# KiCad board aek.kicad_pcb (continued)
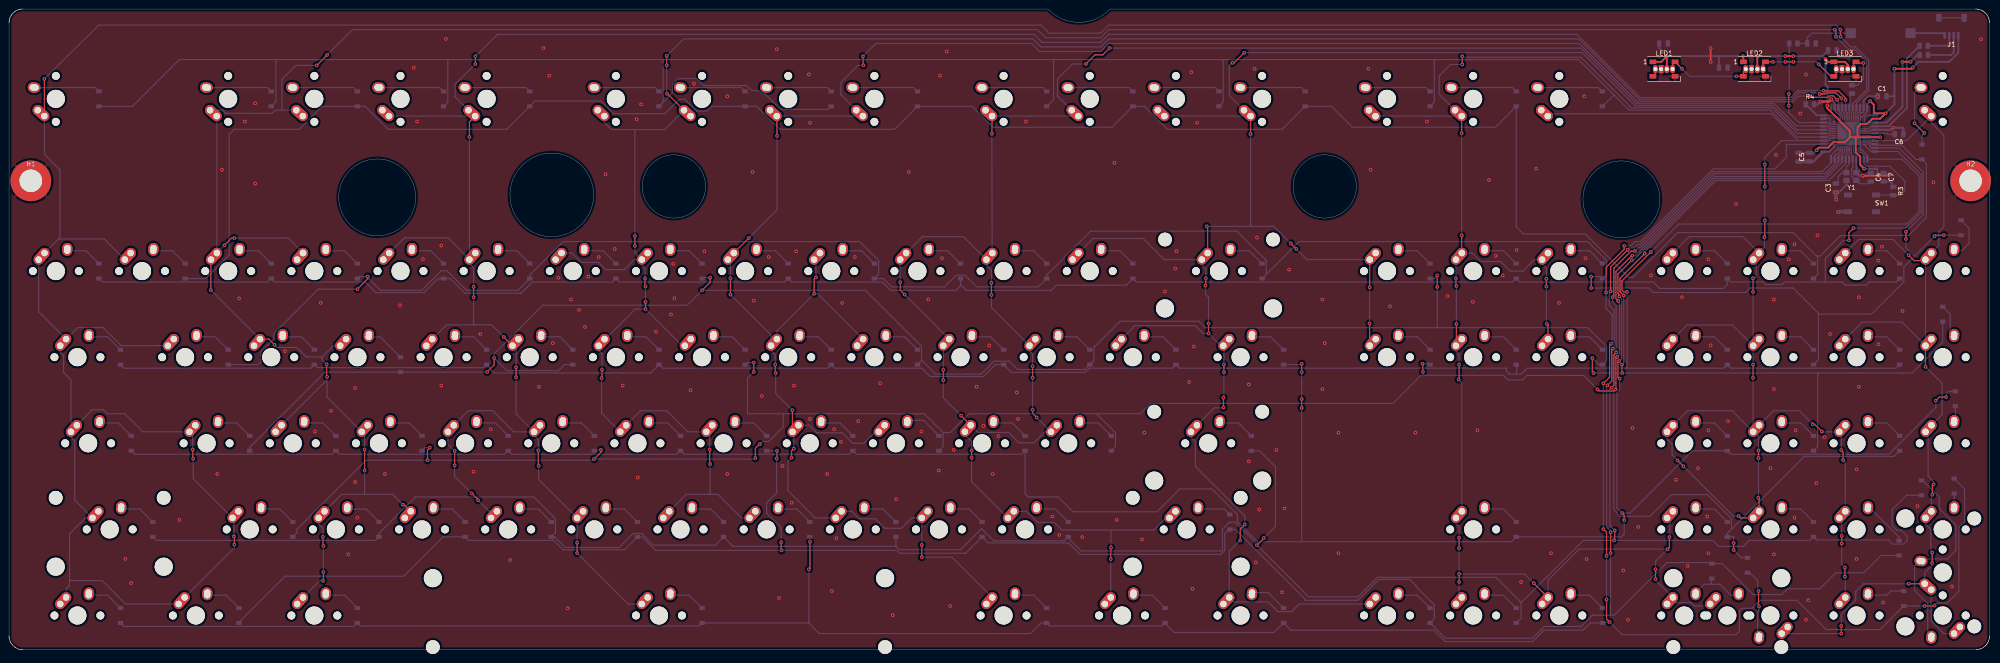
[diagram p0: board, top side]
## Nets (continued)
Net-(D72-Pad2): D72.2 SW_RCTR1.2
Net-(D73-Pad2): D73.2 SW_LEFT1.2
Net-(D74-Pad2): D74.2 SW_DEL1.2
Net-(D75-Pad2): D75.2 SW_INS1.2
Net-(D76-Pad2): D76.2 SW_BACKSP1.2
Net-(D77-Pad2): D77.2 SW_F12.2
Net-(D78-Pad2): D78.2 SW_PRSC1.2
Net-(D79-Pad2): D79.2 SW_HOME1.2
Net-(D80-Pad2): D80.2 SW_END1.2
Net-(D81-Pad2): D81.2 SW_UP1.2
Net-(D82-Pad2): D82.2 SW_DOWN1.2
Net-(D83-Pad2): D83.2 SW_RIGHT1.2
Net-(D84-Pad2): D84.2 SW_KP0.2 SW_KP0ALT1.2
Net-(D85-Pad2): D85.2 SW_KP1.2
Net-(D86-Pad2): D86.2 SW_PGDN1.2
Net-(D87-Pad2): D87.2 SW_PGUP1.2
Net-(D88-Pad2): D88.2 SW_SCLK1.2
Net-(D89-Pad2): D89.2 SW_PAUSE1.2
Net-(D90-Pad2): D90.2 SW_NUMLK1.2
Net-(D91-Pad2): D91.2 SW_KP7.2
Net-(D92-Pad2): D92.2 SW_KP4.2
Net-(D93-Pad2): D93.2 SW_KP2.2
Net-(D94-Pad2): D94.2 SW_KPPER1.2
Net-(D95-Pad2): D95.2 SW_KP3.2
Net-(D96-Pad2): D96.2 SW_KP6.2
Net-(D97-Pad2): D97.2 SW_KP5.2
Net-(D98-Pad2): D98.2 SW_KP8.2
Net-(D99-Pad2): D99.2 SW_KPEQ1.2
Net-(D100-Pad2): D100.2 SW_POW1.2
Net-(D101-Pad2): D101.2 SW_KPSLASH1.2
Net-(D102-Pad2): D102.2 SW_KP9.2
Net-(D103-Pad2): D103.2 SW_KPPLUS1.2
Net-(D104-Pad2): D104.2 SW_KPENTER1.2 SW_KPENTERALT1.2
Net-(D105-Pad2): D105.2 SW_KPENTERX1.2
Net-(D109-Pad2): D109.2 SW_KPMINUS1.2
Net-(D110-Pad2): D110.2 SW_KPASTR1.2
Net-(LED1-Pad4): LED1.4 LED2.2
Net-(LED2-Pad4): LED2.4 LED3.2
Net-(R1-Pad2): R1.2 U1.39
Net-(R2-Pad1): R2.1 U1.4
Net-(R3-Pad1): R3.1 SW1.2 U1.13
Net-(R4-Pad2): R4.2 U1.33
Net-(R5-Pad1): R5.1 U1.3

Pads without a net: J1 MP; LED1 2; SW1 3 4; U1 1 32 42

## Via types
v1: diameter 0.8, hole 0.4, Top to Bottom, 476 vias

## Routing (per net, layer and track width the routed paths; a pad name or vN(x,y) marks a point on that pad's centre or on a via; arc(x,y) is an arc through that point)
+5V: length 191.1
  Top w0.25: v1(411.48,121.36) 411.53,121.36
  Top w0.4: 411.53,121.36 412.31,120.58 412.31,118.68 v1(414.91,118.68) 413.71,117.48 412.01,117.48 410.81,116.28 409.41,116.28 408.71,115.58 408.71,113.38 ; v1(386.65,131.33) 386.55,131.23 LED2.1 ; v1(366.59,131.33) 365.32,130.06 LED1.1 ; 407.01,113.38 405.91,112.28 403.41,112.28 402.21,111.08 400.11,111.08 399.67,110.63 v1(399.67,110.53) ; 407.01,113.38 v1(413.71,113.38) ; 407.01,113.38 407.01,114.78 402.01,119.78 v1(402.01,120.38) ; 408.31,113.38 408.31,110.08 409.31,109.08 409.31,107.26 v1(410.16,106.41) ; LED1.1 366.55,131.3 ; v1(416.88,128.54) 420.69,128.54 v1(420.94,128.79) ; LED3.1 406.55,129.43 405.92,130.06 LED3.1 402.21,130.06 v1(401.64,130.64) ; v1(392.75,131.33) v1(394.53,131.33) ; v1(383.35,131.33) 383.47,131.22 LED2.1
  Bottom w0.25: U1.44 410.87,119.06 U1.44 ; U1.2 410.8,116.23 411.05,116.48 411.05,116.49 410.98,116.42 ; U1.34 402.87,119.06 U1.34 ; U1.24 402.73,112.23 402.69,112.18 402.69,111.97 ; U1.14 409.27,109.27 408.37,110.17 U1.14 ; U1.24 402.17,111.03 402.24,111.11 402.24,111.45 402.67,111.87 ; 411.07,116.6 411.07,116.83 411.66,117.43 U1.2 ; 411.81,113.48 411.57,113.73 U1.7
  Bottom w0.4: 378.02,131.33 v1(383.35,131.33) v1(392.75,131.33) ; 378.02,131.33 378.08,131.27 C8.2 ; 378.02,131.33 v1(366.59,131.33) 364.87,133.05 C9.2 ; C2.1 399.07,109.93 v1(399.67,110.53) 400.17,111.03 U1.24 ; v1(416.88,128.54) 416.88,120.67 v1(414.91,118.68) 413.64,117.43 U1.2 ; U1.7 413.76,113.43 ; U1.14 409.27,107.53 410.4,106.4 412.35,106.4 ; 412.35,106.4 412.4,106.44 413.07,106.44 413.07,104.92 414.39,103.6 ; 412.35,106.4 412.77,106.4 ; C7.1 415.91,103.6 416.32,103.19 416.32,102.63 ; 400.94,131.33 v1(401.64,130.64) 401.64,124.96 402.11,124.48 402.11,120.68 ; 400.94,131.33 v1(394.53,131.33) ; 400.94,131.33 C10.2 ; v1(411.48,121.36) 410.87,120.74 U1.44 ; v1(420.94,128.79) 422.21,130.06 428.98,130.06 430.99,132.08 J1.4 ; v1(402.01,120.38) 402.01,120.58 402.11,120.68 ; C1.1 416.88,122.44 ; 402.11,120.68 U1.34
GND: length 85.2
  Top w0.4: v1(409.91,104.88) 415.71,104.88 v1(416.01,105.18) ; v1(376.24,130.06) v1(376.24,133.11)
  Top w0.5: v1(400.51,121.28) 402.38,121.28 v1(402.91,121.82)
  Bottom w0.25: 407.37,114.73 U1.5 411.46,114.73 411.76,115.03 U1.5 ; U1.45 404.39,111.75 404.16,111.75 ; U1.15 408.47,109.43 407.87,110.03 407.87,110.03 U1.15 407.87,113.23 ; 404.87,116.23 U1.35 404.87,118.23 404.67,118.43 404.47,118.43 403.67,119.23 U1.35 ; U1.23 404.16,111.73 ; U1.43 410.07,118.93 409.99,118.85 409.52,118.85 409.52,118.75 409.2,118.43 409.14,118.43 408.87,118.15 U1.43 408.87,116.23 ; 403.92,99.67 v1(404.01,99.58) ; 404.53,96.9 v1(404.41,96.78)
  Bottom w0.4: Y1.4 406.25,102.82 404.67,101.24 v1(403.92,101.24) ; Y1.2 409.12,104.89 v1(409.91,104.88) 410.02,104.89 411.02,104.89 C4.2 ; U1.35 403.67,121.06 v1(402.91,121.82) ; v1(413.2,122.44) 411.04,122.44 410.07,121.47 U1.43 ; v1(416.01,105.18) 414.81,105.18 ; U1.15 408.47,105.56 ; J1.1 427.5,136.41 BUZ1.2
  Bottom w0.5: v1(400.51,121.28) 399.9,120.67 R4.1 ; 403.53,111.65 403.53,111.34 402.42,110.23 U1.23 398.97,108.03 C5.2 ; U1.5 416.06,115.03 v1(416.51,115.48) 418.61,115.48 418.84,115.25 C6.2
  Bottom w0.8: C2.2 C5.2 ; v1(403.92,101.24) 403.92,99.67 ; SW1.1 404.53,96.9
  vias: v1(25.72,20.08) v1(26.99,14.75) v1(37.66,28.72) v1(46.04,38.88) v1(47.05,106.19) v1(50.86,77.74) v1(52.13,116.86) v1(54.42,120.92) v1(54.42,103.14) v1(61.02,66.06) v1(67.63,48.28) v1(68.9,76.72) v1(71.18,52.85) v1(74.99,21.1) v1(76.52,57.93) v1(76.52,37.1) v1(77.03,29.23) v1(83.12,38.88) v1(86.42,76.22) v1(89.47,128.79) v1(90.23,116.86) v1(91.5,86.38) v1(95.57,89.42) v1(95.57,58.44) v1(96.58,135.14) v1(102.68,39.39) v1(104.2,69.87) v1(106.49,48.78) v1(110.81,19.83) v1(117.16,58.18) v1(118.17,133.11) v1(119.44,127.02) v1(120.21,67.83) v1(121.48,82.31) v1(123.51,9.16) v1(124.27,77.49) v1(126.05,75.2) v1(127.32,71.39) v1(128.08,82.57) v1(130.37,86.88) v1(131.89,105.17) v1(133.92,88.66) v1(135.7,58.44) v1(138.75,117.36) v1(139,38.12) v1(139.76,120.67) v1(143.07,70.37) v1(146.37,74.18) v1(146.88,85.36) v1(147.13,77.74) v1(150.69,57.42) v1(151.45,125.24) v1(153.73,88.15) v1(158.81,122.44) v1(158.81,38.88) v1(164.4,105.68) v1(164.66,77.23) v1(166.43,56.15) v1(167.96,86.88) v1(169.74,132.86) v1(170.24,11.45) v1(171.01,40.66) v1(173.04,32.53) v1(173.55,58.44) v1(174.05,88.15) v1(176.85,127.27) v1(177.1,116.6) v1(177.1,51.07) v1(180.91,38.88) v1(181.93,12.97) v1(182.44,48.78) v1(182.94,24.65) v1(183.96,45.99) v1(184.21,76.72) v1(187.01,86.88) v1(187.77,50.56) v1(192.6,58.94) v1(195.39,7.64) v1(196.15,33.29) v1(198.95,105.68) v1(201.74,48.28) v1(203.26,77.49) v1(205.55,39.64) v1(205.8,127.02) v1(206.31,86.63) v1(207.33,132.35) v1(208.09,9.67) v1(208.85,44.21) v1(213.93,58.18) v1(215.46,49.55) v1(216.73,67.33) v1(217.49,38.88) v1(218.76,47.26) v1(222.82,56.91) v1(223.08,51.07) v1(224.85,116.86) v1(230.7,29.48) v1(232.22,25.42) v1(237.3,24.91) v1(244.41,107.71) v1(244.92,28.72) v1(250.51,24.4) v1(251.02,48.02) v1(255.59,79.26) v1(257.87,84.34) v1(258.13,88.15) v1(260.92,59.2) v1(261.43,127.78) v1(261.68,13.48) v1(261.94,67.07) v1(262.7,116.6) v1(274.13,58.69) v1(274.13,41.67) v1(275.4,128.54) v1(275.65,19.32) v1(275.91,91.2) v1(276.42,31) v1(280.23,44.21) v1(281.5,12.72) v1(282,31.26) v1(283.02,84.09) v1(290.39,77.49) v1(290.39,57.67) v1(290.89,67.83) v1(293.94,48.02) v1(293.94,21.35) v1(300.55,128.54) v1(301.05,106.19) v1(305.37,75.96) v1(310.96,48.02) v1(313.5,116.86) v1(318.07,78.25) v1(323.66,76.98) v1(324.68,48.53) v1(327.22,103.9) v1(328.74,87.14) v1(330.26,82.82) v1(333.31,88.41) v1(334.33,15) v1(337.63,106.44) v1(340.93,21.35) v1(342.71,76.72) v1(348.3,122.44) v1(348.55,86.63) v1(348.81,20.08) v1(356.93,17.54) v1(357.95,6.62) v1(358.97,49.04) v1(360.24,27.19) v1(363.03,82.82) v1(368.62,37.61) v1(369.89,77.99) v1(371.16,18.56) v1(373.44,40.15) v1(375.48,29.48) v1(375.73,86.38) v1(375.73,48.53) v1(375.73,21.35) v1(376.24,67.33) v1(380.05,50.56) v1(381.83,98.57) v1(389.45,40.15) v1(390.21,77.49) v1(390.21,57.67) v1(390.21,21.1) v1(390.72,109.49) v1(393.51,86.38) v1(394.78,89.68) v1(394.78,29.23) v1(395.03,48.53) v1(396.05,118.63) v1(397.32,127.27) v1(397.32,6.62) v1(397.83,10.94) v1(399.61,36.85) v1(399.86,91.71) v1(401.38,47.01) v1(402.65,69.87) v1(408.5,39.89) v1(408.5,20.08) v1(409,77.99) v1(409,58.18) v1(413.32,86.12) v1(413.32,67.58) v1(414.08,89.17) v1(414.34,10.43) v1(418.66,74.95) v1(421.96,31.77) v1(425.51,103.39) v1(429.58,13.99) v1(436.01,135.08)
BUZIN: length 26.8
  Top w0.25: v1(393.51,122.98) v1(393.51,120.38)
  Bottom w0.25: v1(393.51,122.98) 393.61,123.08 R6.1 ; U1.31 402.81,115.73 402.17,116.36 402.17,116.63 U1.31 395.77,116.63 393.51,118.89 v1(393.51,120.38)
COL0: length 693.1
  Top w0.25: v1(7.81,126.28) 7.81,126.19 SW_ESC1.1 ; v1(40.61,44.28) 40.61,42.38 v1(40.71,42.28) ; v1(49.71,25.08) 49.81,24.98 v1(49.81,23.28) ; v1(404.94,137.18) v1(404.94,135.65)
  Bottom w0.25: SW_ESC1.1 7.81,109.62 11.24,106.19 11.24,91.16 10.96,90.88 ; v1(7.81,126.28) 19.81,138.19 228.16,138.19 229.93,136.41 241.36,136.41 243.14,138.19 403.92,138.19 v1(404.94,137.18) ; SW_TICK1.1 10.96,90.88 ; 10.96,90.88 21.02,90.88 SW_1.1 ; v1(404.94,135.65) 407.23,133.37 408.24,133.37 411.19,130.41 411.19,123.71 408.47,120.98 U1.41 408.47,119.23 408.09,118.85 407.92,118.85 407.87,118.8 U1.41 ; 13.36,15.53 13.61,15.28 20.61,15.28 25.78,10.11 SW_LMOD1.1 ; SW_CAP1.1 18.11,52.79 18.11,53.08 20.91,53.08 21.79,52.2 25.59,52.2 29.58,48.21 SW_A1.1 40.61,47.48 v1(40.61,44.28) ; v1(40.71,42.28) 40.71,37.85 SW_Z1.1 ; v1(49.71,25.08) 49.71,28.85 ; SW_LCTR1.1 12.61,13.48 13.36,14.23 13.36,25.63 16.9,29.16 SW_LSH1.1 14.51,33.1 14.51,46.18 13.68,47.01 SW_CAP1.1 13.68,59.71 12.06,61.33 12.06,65.13 11.3,65.89 SW_TAB1.1 ; SW_LMOD1.1 49.81,22.58 v1(49.81,23.28) ; SW_Q1.1 24.83,67.26 20.81,71.28 15.17,71.28 SW_TAB1.1 6.54,74.79 SW_TICK1.1
COL1: length 585
  Top w0.25: v1(69.51,22.98) 69.41,23.08 v1(69.41,24.98) ; v1(49.81,91.08) 49.21,91.08 v1(47.61,89.48) ; v1(78.61,44.28) v1(78.61,39.68) ; v1(70.21,63.13) 70.21,60.48 v1(70.31,60.38) ; v1(68.02,129.27) v1(70.31,131.58) ; v1(403.67,137.18) 403.92,136.92 v1(403.92,135.65) ; v1(58.71,67.48) 57.47,68.72 SW_W1.1 ; v1(87.11,32.09) 87.35,32.09 SW_C1.1 ; v1(69.51,17.18) 69.51,15.38 v1(69.41,15.28) ; 44.64,86.31 v1(44.61,79.58)
  Bottom w0.25: 407.67,120.82 410.74,123.89 410.74,130.11 408,132.86 406.71,132.86 403.92,135.64 v1(403.92,135.65) ; SW_X1.1 73.52,34.38 84.81,34.38 v1(87.11,32.09) ; 407.67,120.85 U1.40 407.67,119.23 407.37,118.93 U1.40 ; 45.95,87.82 v1(47.61,89.48) ; v1(68.02,129.27) 63.41,129.27 60.32,126.19 60.32,119.37 ; v1(70.31,60.38) 70.31,55.88 SW_D1.1 ; SW_3.1 61.69,91.08 v1(49.81,91.08) ; 60.32,119.37 58.91,119.37 58.21,118.68 47.91,118.68 47.22,119.37 SW_F1.1 ; 60.32,119.37 SW_F2.1 ; 69.21,64.78 69.21,64.13 v1(70.21,63.13) ; 69.21,64.78 65.71,64.78 63.61,66.88 59.31,66.88 v1(58.71,67.48) ; 69.21,64.78 71.7,67.26 SW_E1.1 ; v1(70.31,131.58) 75.95,137.18 227.39,137.18 229.17,135.4 241.36,135.4 243.14,137.18 v1(403.67,137.18) ; v1(78.61,39.68) 78.61,34.48 ; 44.64,79.56 SW_W1.1 ; 45.95,118.02 SW_2.1 ; v1(69.41,15.28) 68.71,15.28 SW_LALT1.1 ; 78.61,47.58 v1(78.61,44.28) ; v1(69.51,22.98) v1(69.51,17.18) ; SW_S1.1 70.31,59.75 ; v1(69.41,24.98) 69.41,26.88 68.45,27.84 SW_X1.1
COL2: length 554.3
  Top w0.25: v1(102.31,34.58) 103.71,33.18 v1(103.71,33.07) ; v1(112.11,62.48) v1(112.11,60.28) ; 139.61,11.57 SW_SPACE1.1 ; v1(98.52,40.77) 98.51,40.78 v1(98.51,43.98) ; SW_F4.1 101.79,116.79 v1(101.79,113.46) ; v1(401.21,123.68) 401.24,123.66 404.49,123.66 406.06,122.09 v1(406.06,121.64) ; v1(109.41,69.17) SW_T1.1 ; v1(117.01,44.08) 117.01,40.78 v1(117.11,40.68) ; v1(102.71,80.28) v1(102.71,77.98) ; v1(125.61,21.39) v1(125.61,23.68) ; v1(103.11,131.3) v1(103.11,129.58)
  Bottom w0.25: v1(125.61,23.68) 125.61,29.15 ; U1.38 406.37,118.73 406.42,118.78 406.07,119.13 U1.38 406.07,121.64 v1(406.06,121.64) ; SW_B1.1 117.11,37.65 v1(117.11,40.68) ; v1(103.71,33.07) 106.16,30.62 SW_V1.1 ; v1(103.11,131.3) 107.98,136.16 226.63,136.16 228.41,134.38 241.36,134.38 243.14,136.16 346.65,136.16 360.65,122.15 393.98,122.15 395.51,123.68 v1(401.21,123.68) ; v1(102.31,34.58) 98.52,38.37 v1(98.52,40.77) ; v1(103.11,129.58) 98.61,125.08 98.61,122.36 SW_F4.1 ; v1(117.01,44.08) 117.01,46.48 116.08,47.42 ; v1(102.71,80.28) 102.71,84.48 101.79,85.4 ; v1(112.11,62.48) 112.11,66.46 112.01,66.56 ; v1(109.41,69.17) 106.7,71.88 102.91,71.88 ; v1(125.61,21.39) 136.89,10.11 SW_SPACE1.1 ; v1(102.71,77.98) 102.71,72.08 102.91,71.88 ; 102.91,71.88 96.73,71.88 SW_R1.1 ; v1(112.11,60.28) 112.11,52.18 SW_G1.1 111.58,48.21 106.91,52.88 101.55,52.88 SW_F13.1 ; SW_4.1 87.41,91.14 97.06,91.14 101.79,86.4 ; v1(98.51,43.98) 97.03,45.47 97.03,47.27 ; SW_F3.1 SW_F4.1 ; SW_5.1 v1(101.79,113.46)
COL3: length 473.4
  Top w0.25: v1(405.13,122) 403.92,123.21 401.76,123.21 401.51,122.96 v1(400.34,122.96) ; v1(155.01,41.08) 154.91,41.18 v1(154.91,44.28) ; v1(138.37,91.53) v1(138.37,89.33) ; v1(140.61,82.18) 140.61,80.48 v1(140.71,80.38) ; v1(145.47,123.02) 145.58,123.02 SW_F6.1 ; v1(131.01,60.08) 131.11,60.18 v1(131.11,61.95) ; v1(140.71,76.94) v1(140.71,75.38) ; v1(145.41,131.38) v1(145.41,129.28)
  Bottom w0.25: SW_H1.1 139.65,52.88 145.41,52.88 150.08,48.21 SW_J1.1 154.91,47.48 v1(154.91,44.28) ; v1(138.37,91.53) 138.37,115.03 138.31,115.08 ; SW_7.1 138.25,86.31 136.01,84.08 131.91,84.08 130.31,85.68 126.51,85.68 124.42,87.77 SW_6.1 ; SW_7.1 138.37,87.84 v1(138.37,89.33) ; SW_7.1 139.89,85.1 140.61,84.38 v1(140.61,82.18) ; 154.81,34.38 155.01,34.58 v1(155.01,41.08) ; 154.81,34.38 149.72,34.38 SW_N1.1 ; 154.81,34.38 156.71,34.38 161.93,29.16 SW_M1.1 ; v1(405.13,122) 405.27,121.86 U1.37 405.27,119.23 405.91,118.58 405.87,118.53 U1.37 ; 138.31,115.08 133.21,115.08 131.64,116.66 SW_F5.1 ; 138.31,115.08 144.93,115.08 SW_F6.1 ; v1(145.47,123.02) 145.41,123.08 v1(145.41,129.28) ; v1(131.11,61.95) 131.11,65.48 130.37,66.23 SW_Y1.1 138.48,75.38 v1(140.71,75.38) 148.83,67.26 ; v1(145.41,131.38) 149.18,135.14 226.38,135.14 228.16,133.37 241.36,133.37 243.14,135.14 347.03,135.14 360.47,121.7 394.19,121.7 395.72,123.23 400.06,123.23 v1(400.34,122.96) ; SW_H1.1 131.01,52.33 v1(131.01,60.08) ; v1(140.71,80.38) v1(140.71,76.94)
COL4: length 471
  Top w0.25: v1(169.51,61.18) 169.41,61.28 v1(169.41,63.08) ; v1(173.51,44.48) 173.01,43.98 v1(173.01,42.48) ; SW_F7.1 v1(169.81,113.68) ; v1(163.59,91.11) SW_8.1 ; v1(159.51,78.58) v1(159.51,82.18) ; v1(178.01,78.78) 178.01,81.98 v1(178.41,82.38) ; v1(398.01,122.51) 398.29,122.23 402.3,122.23 402.64,122.56 403.3,122.56 v1(404.18,121.68) ; v1(188.81,131.3) 188.81,129.38 v1(188.91,129.28) ; v1(173.21,52.98) 173.21,48.23 ; v1(201.81,20.48) v1(201.81,23.18)
  Bottom w0.25: v1(188.81,131.3) 191.64,134.13 226.12,134.13 227.9,132.35 241.36,132.35 243.14,134.13 347.16,134.13 360.03,121.25 394.61,121.25 ; v1(169.41,63.08) 169.41,65.28 168.47,66.23 168.47,66.43 ; v1(188.91,129.28) 187.71,129.28 183.91,125.48 183.91,122.78 SW_F8.1 ; v1(178.41,82.38) 178.41,85.89 ; v1(159.51,78.58) 168.47,69.63 SW_I1.1 ; v1(173.21,52.98) 169.51,56.68 v1(169.51,61.18) ; 394.49,121.25 395.74,122.51 v1(398.01,122.51) ; v1(163.59,91.11) 169.81,97.34 v1(169.81,113.68) ; SW_PERIOD1.1 199.6,29.16 197.31,26.88 193.61,26.88 191.51,28.98 188.01,28.98 186.37,30.62 SW_COMMA1.1 ; v1(159.51,82.18) 159.51,85.74 ; 191.55,48.21 189.01,45.68 186.52,45.68 184.22,47.98 178.61,47.98 176.92,49.67 SW_K1.1 ; v1(201.81,23.18) 201.81,29.15 ; SW_O1.1 178.77,78.78 v1(178.01,78.78) 169.78,70.54 SW_I1.1 ; v1(404.18,121.68) 404.47,121.39 U1.36 404.67,119.73 404.67,119.03 404.84,118.85 404.91,118.85 405.37,118.4 U1.36 ; v1(173.51,44.48) 173.51,47.93 ; SW_F7.1 SW_F8.1 ; v1(173.01,42.48) 172.21,41.68 172.21,35.18 178.23,29.16 SW_COMMA1.1 ; SW_RALT1.1 208.49,20.48 v1(201.81,20.48)
COL5: length 441.3
  Top w0.25: v1(238.1,129.59) 240.12,131.62 241.84,131.62 v1(243.33,133.11) ; SW_F9.1 v1(217.31,114.18) ; v1(206.57,61.93) v1(206.57,59.63) ; v1(226.31,53.08) 226.31,52.28 v1(227.21,51.38) ; v1(197.04,81.31) 197.04,79.56 v1(198.02,78.58) ; v1(226.31,62.72) v1(226.31,60.18) ; v1(217.21,81.18) v1(217.21,78.48) ; v1(212.82,44.09) v1(212.82,42.49) ; v1(243.59,20.06) 243.59,22.57 v1(243.65,22.62) ; v1(210.52,51.79) SW_COLON1.1
  Bottom w0.25: v1(210.52,51.79) 206.57,55.74 v1(206.57,59.63) ; U1.30 402.07,115.83 402.67,115.23 U1.30 ; SW_COLON1.1 214.23,48.08 221.01,48.08 223.31,45.78 226.61,45.78 229.05,48.21 SW_APOS1.1 v1(227.21,51.38) ; v1(243.33,133.11) 347.54,133.11 359.84,120.8 390.28,120.8 395.2,115.88 398.63,115.88 ; 255.81,29.16 253.12,26.48 232.81,26.48 231.11,28.18 227.41,28.18 224.97,30.62 SW_SLASH1.1 ; SW_0.1 201.96,91.38 211.02,91.38 SW_MINUS1.1 216.09,85.1 217.21,83.98 v1(217.21,81.18) ; v1(226.31,62.72) 226.31,65.38 225.62,66.08 SW_LBRAC1.1 217.21,75.66 v1(217.21,78.48) ; v1(217.31,114.18) 217.36,87.58 ; SW_0.1 v1(197.04,81.31) ; SW_F9.1 236.41,118.06 ; v1(226.31,60.18) v1(226.31,53.08) ; v1(243.65,22.62) 243.65,26.44 ; SW_SLASH1.1 212.82,37.2 v1(212.82,42.49) ; 398.66,115.9 401.09,115.9 ; v1(198.02,78.58) SW_P1.1 ; v1(238.1,129.59) 235.13,129.59 231.81,126.28 231.81,122.38 231.94,122.38 SW_F10.1 ; SW_P1.1 v1(206.57,61.93) ; 211.33,47.58 212.82,46.09 v1(212.82,44.09) ; SW_RMOD1.1 v1(243.59,20.06)
COL6: length 429.5
  Top w0.25: v1(270.51,129.85) 270.88,129.85 v1(273.11,132.08) ; v1(265.21,72.19) 265.21,69.99 v1(265.21,69.98) ; v1(264.61,82.18) 264.61,80.68 ; SW_INS1.1 v1(300.84,80.15) ; v1(268.51,53.58) v1(268.51,55.78) ; v1(284.62,88.67) v1(283.41,89.88) ; SW_BACKSP1.1 265.03,93.47 v1(264.81,93.68) ; v1(273.24,27.71) 272.21,26.68 v1(272.21,24.18) ; SW_F12.1 v1(274.51,114.08) ; v1(268.61,63.08) v1(268.61,61.38) ; v1(300.81,72.18) SW_DEL1.1
  Top w0.4: 264.61,80.68 v1(264.51,80.58)
  Bottom w0.25: v1(264.51,80.58) 264.51,78.68 265.21,77.98 v1(265.21,72.19) ; SW_RBRAC1.1 248.93,71.68 262.31,71.68 264.01,69.98 v1(265.21,69.98) 267.93,67.26 ; v1(274.51,114.08) 274.51,93.78 274.61,93.68 ; 263.72,85.18 264.61,84.28 v1(264.61,82.18) ; v1(283.41,89.88) 279.61,93.68 v1(264.81,93.68) ; v1(268.51,53.58) 268.44,53.51 266.48,53.51 SW_ENTER1.1 ; SW_INS1.1 286.98,86.31 v1(284.62,88.67) ; 280.53,132.1 280.51,132.08 ; 280.53,132.1 273.13,132.1 v1(273.11,132.08) ; 280.53,132.1 347.79,132.1 359.53,120.35 389.95,120.35 395.28,115.03 U1.29 402.23,115.03 402.53,114.73 U1.29 ; SW_EQ1.1 239.66,90.98 250.74,90.98 255.41,86.31 SW_BACKSP1.1 ; SW_LEFT1.1 285.24,10.11 283.58,8.45 280.53,8.45 278.39,10.59 270.78,10.59 SW_RCTR1.1 269.79,21.75 v1(272.21,24.18) ; v1(270.51,129.85) 270.38,129.85 269.81,129.28 269.81,122.61 SW_F12.1 ; v1(268.51,55.78) 268.61,55.88 v1(268.61,61.38) ; v1(273.24,27.71) 273.24,29.6 262.31,40.53 262.31,45.98 261.33,46.96 SW_ENTER1.1 ; v1(300.84,80.15) v1(300.81,72.18) ; SW_F11.1 SW_F12.1 ; 268.61,67.13 v1(268.61,63.08)
COL7: length 352
  Top w0.25: v1(320.01,80.48) 319.91,80.58 v1(319.91,82.18) ; v1(339.91,82.07) v1(339.91,80.38) ; v1(320.61,24.78) v1(320.61,22.48) ; v1(320.61,63.08) 320.61,59.88 v1(320.51,59.78) ; v1(320.01,72.08) 320.01,67.36 ; v1(321.18,91.65) 321.18,87.81 ; v1(320.61,16.74) v1(320.61,14.98) ; v1(367.11,24.92) 367.11,22.64 v1(366.73,22.26) ; v1(321.31,131.3) v1(321.31,129.48) ; SW_PGDN1.1 340.27,71.82 v1(340.01,72.08) ; v1(337.14,14.71) SW_RIGHT1.1 ; SW_SCLK1.1 v1(321.18,114.25) ; v1(364.05,15.61) v1(364.05,17.81)
  Bottom w0.25: v1(320.51,59.78) 321.22,59.07 SW_UP1.1 ; v1(364.05,17.81) 364.05,19.57 v1(366.73,22.26) 347.17,22.26 340.27,15.37 SW_RIGHT1.1 ; 366.9,10.43 371.92,10.43 372.68,9.67 375.67,9.67 ; SW_END1.1 319.91,66.08 320.61,65.38 v1(320.61,63.08) ; U1.28 U1.28 395.44,114.23 389.77,119.9 358.71,119.9 347.54,131.08 321.53,131.08 v1(321.31,131.3) ; SW_UP1.1 319.91,27.88 320.61,27.18 v1(320.61,24.78) ; v1(339.91,82.07) 339.91,84.48 338.96,85.43 ; v1(320.61,14.98) 320.61,10.81 ; v1(339.91,80.38) 339.91,72.18 v1(340.01,72.08) ; v1(320.01,80.48) v1(320.01,72.08) ; SW_KP0ALT1.1 364.05,15.42 v1(364.05,15.61) ; SW_HOME1.1 v1(319.91,82.18) ; 367.21,28.53 367.21,25.02 v1(367.11,24.92) ; v1(337.14,14.71) 335.1,16.74 v1(320.61,16.74) v1(320.61,22.48) ; SW_SCLK1.1 316.21,122.88 316.21,126.98 318.71,129.48 v1(321.31,129.48) ; SW_HOME1.1 323.52,87.77 325.41,85.88 329.81,85.88 331.91,83.78 334.71,83.78 337.25,86.31 SW_PGUP1.1 ; SW_PRSC1.1 SW_SCLK1.1 ; v1(321.18,114.25) v1(321.18,91.65)
COL8: length 301.4
  Top w0.25: v1(386.77,33.62) 386.95,33.45 SW_KP2.1 ; v1(405.91,16.18) v1(405.91,18.18) ; v1(385.61,60.18) v1(385.62,63.07) ; v1(385.61,82.18) v1(385.61,79.18) ; v1(368.91,41.88) v1(370.21,40.58) ; v1(388.21,94.98) 388.21,91.38 v1(388.11,91.28) ; v1(382.41,29.58) 382.83,29.16 SW_KP2.1 ; v1(405.21,23.48) v1(405.21,25.18) ; v1(405.51,41.98) 405.51,43.78 v1(405.11,44.18) ; v1(400.81,48.28) 399.21,49.88 v1(398.81,49.88) ; v1(388.21,107.38) v1(388.21,102.48) ; v1(386.81,44.08) v1(386.81,42.38)
  Bottom w0.25: U1.26 402.46,113.23 401.86,112.63 U1.26 395.58,112.63 ; v1(388.11,91.28) 388.11,88.94 SW_KPEQ1.1 383.34,91.38 371.5,91.38 SW_NUMLK1.1 ; v1(405.11,44.18) 405.11,47.78 ; v1(382.41,29.58) 381.21,29.58 v1(370.21,40.58) ; 385.78,48.21 386.81,47.18 v1(386.81,44.08) ; v1(405.21,23.48) 405.21,18.88 v1(405.91,18.18) ; SW_KP6.1 400.88,48.21 v1(400.81,48.28) ; SW_KP7.1 371.01,71.84 381.06,71.84 SW_KP8.1 v1(385.61,79.18) ; SW_KP3.1 406,41.5 v1(405.51,41.98) ; v1(386.81,42.38) 386.81,33.66 v1(386.77,33.62) ; v1(385.61,82.18) 385.91,82.18 386.31,82.58 386.31,85.63 ; SW_KPPER1.1 406,16.1 v1(405.91,16.18) ; v1(385.61,60.18) SW_KP5.1 380.97,52.88 371.1,52.88 SW_KP4.1 ; 395.58,112.63 389.63,118.57 340.74,118.57 ; 395.58,112.63 391.88,112.63 388.22,108.97 388.22,107.39 v1(388.21,107.38) ; SW_KP5.1 390.15,52.88 395.81,52.88 v1(398.81,49.88) ; v1(405.21,25.18) 405.21,28.63 ; v1(368.91,41.88) 367.71,43.08 367.71,45.48 366.59,46.61 SW_KP4.1 ; v1(388.21,102.48) v1(388.21,94.98) ; v1(385.62,63.07) 385.64,67.41
COL9: length 217.6
  Top w0.25: v1(420.01,87.28) 421.21,86.08 423.5,86.08 ; v1(420.01,14.58) SW_KPENTER1.1 ; SW_KPMINUS1.1 v1(423.74,62.6) ; v1(425.51,36.59) 425.26,36.33 v1(425.26,34.3) ; v1(425.21,21.48) v1(425.21,19.18) ; v1(405.12,3.57) 405.11,3.58 v1(405.11,5.28)
  Bottom w0.25: SW_KPENTERALT1.1 427.8,3.57 425.01,6.37 SW_KPENTER1.1 ; v1(423.74,62.6) 427.41,58.92 427.41,52.04 SW_KPPLUS1.1 ; U1.8 411.27,113.23 411.71,112.78 412.41,112.78 U1.8 419.57,112.63 SW_POW1.1 425.01,116.6 427.8,113.81 427.8,93.64 426.67,92.51 426.67,89.4 SW_KPASTR1.1 ; v1(425.26,34.3) 425.05,34.09 SW_KPENTERX1.1 ; 424.31,47.63 424.31,38.38 425.51,37.18 v1(425.51,36.59) ; v1(405.11,5.28) 405.11,7.78 408.31,10.98 408.31,12.88 410.01,14.58 v1(420.01,14.58) ; SW_KPSLASH1.1 409,90.78 416.51,90.78 v1(420.01,87.28) ; v1(425.21,19.18) 425.21,18.68 423.55,17.01 SW_KPENTER1.1 ; SW_KPENTERX1.1 423.74,27.76 424.91,26.58 424.91,21.78 v1(425.21,21.48) ; SW_KP9.1 409.75,72.48 418.52,72.48 SW_KPMINUS1.1 SW_KPASTR1.1 ; SW_KP0X1.1 v1(405.12,3.57)
D+: length 6.8
  Bottom w0.4: R2.2 428.56,133.62 428.99,134.05 J1.2
D-: length 9.7
  Bottom w0.4: J1.3 429.99,132.19 429.39,131.59 424.29,131.59
LEDDIN: length 9.9
  Top w0.25: LED3.4 407.82,129.52 LED3.4 ; v1(410.02,129.81) 408.62,129.81
  Bottom w0.25: R1.1 408.65,124.88 410.02,126.25 v1(410.02,129.81)
ROW0: length 507.1
  Bottom w0.25: U1.27 402.26,113.73 401.96,113.43 U1.27 395.41,113.43 389.45,119.4 358.2,119.4 354.86,122.73 ; 315.28,130.57 315.12,130.42 315.12,121.15 D78.1 ; 315.28,130.57 268.29,130.57 ; 315.28,130.57 347.02,130.57 354.86,122.73 ; D56.1 230.95,121.75 230.95,130.57 ; 144.63,121.15 144.63,130.54 144.59,130.57 ; 58.99,130.57 37.66,130.57 27.31,120.22 D1.1 ; 58.99,130.57 96.84,130.57 ; 58.99,130.57 58.99,121.24 D12.1 ; 144.59,130.57 96.84,130.57 ; 144.59,130.57 230.95,130.57 ; 96.84,130.57 97,130.41 97,121.15 D23.1 ; 268.29,130.57 230.95,130.57 ; 268.29,130.57 268.45,130.41 268.45,121.15 D67.1 ; 354.86,122.73 352.36,120.22 ; D34.1 146.66,123.18 146.66,125.03 148.01,126.38 152.03,126.38 153.58,124.82 163.09,124.82 164.19,123.71 165.75,123.71 166.5,122.96 167.15,122.96 170.55,119.55 181.13,119.55 D45.1
ROW1: length 469.5
  Top w0.25: v1(406.81,90.58) 406.81,92.28 v1(407.81,93.28)
  Bottom w0.25: 210.5,80.66 211.65,79.52 230.44,79.52 231.58,80.66 247.01,80.66 D68.1 249.25,81.35 332.47,81.35 D79.1 334.02,81.35 363.55,81.35 364.96,79.93 379.06,79.93 379.92,80.79 D90.1 380.7,81.35 387.85,81.35 388.41,80.78 391.98,80.78 392.55,81.35 401.59,81.35 ; 210.5,80.66 209.36,79.52 194.88,79.52 193.05,81.35 173.05,81.35 D46.1 171.5,81.35 134.95,81.35 D35.1 133.4,81.35 115.68,81.35 113.22,78.88 100.77,78.88 97.53,82.12 D24.1 94.87,82.12 91.76,79.01 81.09,79.01 78.75,81.35 58.75,81.35 D13.1 57.2,81.35 20.65,81.35 D2.1 ; 210.5,80.66 210.38,80.79 D57.1 ; 401.59,81.35 401.59,86.55 405.61,90.58 v1(406.81,90.58) ; 401.59,81.35 405.35,81.35 406.01,80.68 410.61,80.68 411.28,81.35 417.25,81.35 D101.1 ; U1.11 411.25,110.68 411.25,110.67 411.69,110.23 417.67,110.23 422.76,105.13 422.76,96.73 419.31,93.28 v1(407.81,93.28)
ROW2: length 521.2
  Top w0.25: v1(363.01,87.98) 356.64,81.6 356.64,79.56 357.01,79.18 v1(357.71,79.18)
  Bottom w0.25: 357.75,62.3 379.15,62.3 D91.1 380.7,62.3 417.25,62.3 D102.1 ; 357.75,62.3 335.65,62.3 334.33,60.98 333.31,60.98 ; 357.75,62.3 357.75,79.15 v1(357.71,79.18) ; 333.31,60.98 331.79,60.98 331.08,61.69 331.08,62.3 258.78,62.3 D69.1 257.23,62.3 238.87,62.3 237.93,61.36 221.62,61.36 D58.1 218.06,63.07 215.46,60.47 203.62,60.47 201.79,62.3 182.58,62.3 D47.1 181.03,62.3 144.48,62.3 D36.1 141.86,61.23 107.25,61.23 106.38,62.11 106.38,62.3 D25.1 104.93,62.4 68.17,62.4 D14.1 66.73,62.3 25.41,62.3 D3.1 ; 333.31,60.98 333.36,61.03 333.36,62.96 ; v1(363.01,87.98) 369.21,94.18 419.58,94.18 422.31,96.92 422.31,104.78 418.57,108.53 U1.12 410.87,109.39 U1.12
ROW3: length 605.8
  Top w0.25: v1(285.81,63.26) v1(285.81,61.38) ; v1(356.04,78.14) 356.04,78.55 355.74,78.86 355.74,83.1 v1(358.81,86.18) ; v1(356.01,63.88) 355.74,63.61 355.74,60.2 355.89,60.2 v1(356.11,59.98) ; v1(426.02,55.13) 426.78,55.9 v1(428.31,55.9) ; v1(357.11,28.68) 357.11,29.81 v1(356.68,30.24) ; v1(285.81,55.48) v1(285.81,53.48)
  Bottom w0.25: U1.19 405.87,109.93 405.27,109.33 U1.19 405.27,107.83 401.7,104.27 377.25,104.27 359.16,86.18 v1(358.81,86.18) ; D70.1 285.62,63.07 v1(285.81,63.26) ; v1(426.02,55.13) 426.02,53.61 415.66,43.25 380.7,43.25 D92.1 372.18,44.02 358.4,30.24 v1(356.68,30.24) 355.51,31.41 355.51,56.78 356.11,57.38 v1(356.11,59.98) ; v1(428.31,55.9) 428.31,56.66 428.82,57.17 D103.1 ; v1(356.04,78.14) 356.51,77.67 356.51,64.28 356.11,63.88 v1(356.01,63.88) ; v1(285.81,53.48) 285.81,23.89 ; 285.81,23.89 276.04,23.89 271.59,28.34 271.59,29.94 265.95,35.58 258.89,35.58 253.83,30.51 235.25,30.51 231.97,33.8 225.36,33.8 224.66,34.5 D59.1 223.89,43.25 187.34,43.25 D48.1 185.79,43.25 149.24,43.25 D37.1 147.69,43.25 111.14,43.25 D26.1 109.59,43.25 73.04,43.25 D15.1 71.49,43.25 27.79,43.25 D4.1 ; 285.81,23.89 332.17,23.89 D81.1 356.51,24.97 357.11,25.58 v1(357.11,28.68) ; v1(285.81,61.38) v1(285.81,55.48)
ROW4: length 608.2
  Top w0.25: v1(354.9,24.2) 355.03,24.33 v1(355.03,26.39) ; v1(354.31,57.98) 354.84,58.5 354.84,65.2 355.34,65.71 v1(355.34,65.78) ; v1(359.5,88.19) 358.62,88.19 354.84,84.4 354.84,82.5 354.84,78.25 v1(354.56,77.98) ; v1(277.43,24.7) 277.43,24.65 v1(275.91,23.13)
  Bottom w0.25: 215.16,26.65 217.72,24.09 233.3,24.09 D60.1 ; 215.16,26.65 215.11,26.65 ; 215.16,26.65 215.04,26.77 210.38,22.11 196.91,22.11 196.09,22.94 ; v1(277.43,24.7) 280.01,27.28 280.01,40.48 276.47,44.02 D71.1 ; 334.33,10.43 328.74,16.02 302.58,16.02 298.26,11.7 287.34,11.7 v1(275.91,23.13) 275.91,23.38 271.08,28.21 269.81,28.21 268.29,26.69 268.29,22.11 268.03,21.86 237.05,21.86 234.19,24.72 ; 334.33,10.43 348.09,24.2 v1(354.9,24.2) 376.69,24.2 378.02,22.88 383.5,22.88 384.82,24.2 398.2,24.2 D93.1 399.64,24.3 415.51,24.3 416.45,23.37 418.89,23.37 419.67,24.15 419.67,25.16 418.4,26.43 417.39,26.43 416.37,27.45 416.37,31 419.55,34.18 D104.1 ; 334.33,10.43 334.33,7 D82.1 ; D5.1 32.56,24.2 81.01,24.2 D16.1 81.79,25.74 89.84,33.8 116,33.8 120.81,28.98 120.81,25.9 D27.1 120.65,24.97 123,22.62 134.89,22.62 138.01,25.75 139.86,25.75 142.48,23.13 156.15,23.13 D38.1 159.7,23.26 159.7,23.26 160.08,22.88 196.02,22.88 196.09,22.94 ; D49.1 196.09,22.94 ; v1(355.34,65.78) 355.34,76.27 354.56,77.05 v1(354.56,77.98) ; v1(355.03,26.39) 353.98,27.43 353.96,27.43 353.96,57.63 ; U1.21 404.87,110.27 404.2,109.6 403.87,109.6 403.67,109.4 U1.21 403.67,107.51 401.49,105.33 377.04,105.33 360.75,89.04 360.36,89.04 v1(359.5,88.19) ; 353.91,57.58 v1(354.31,57.98)
